# KiCad board DFTBoard.kicad_pcb (continued)
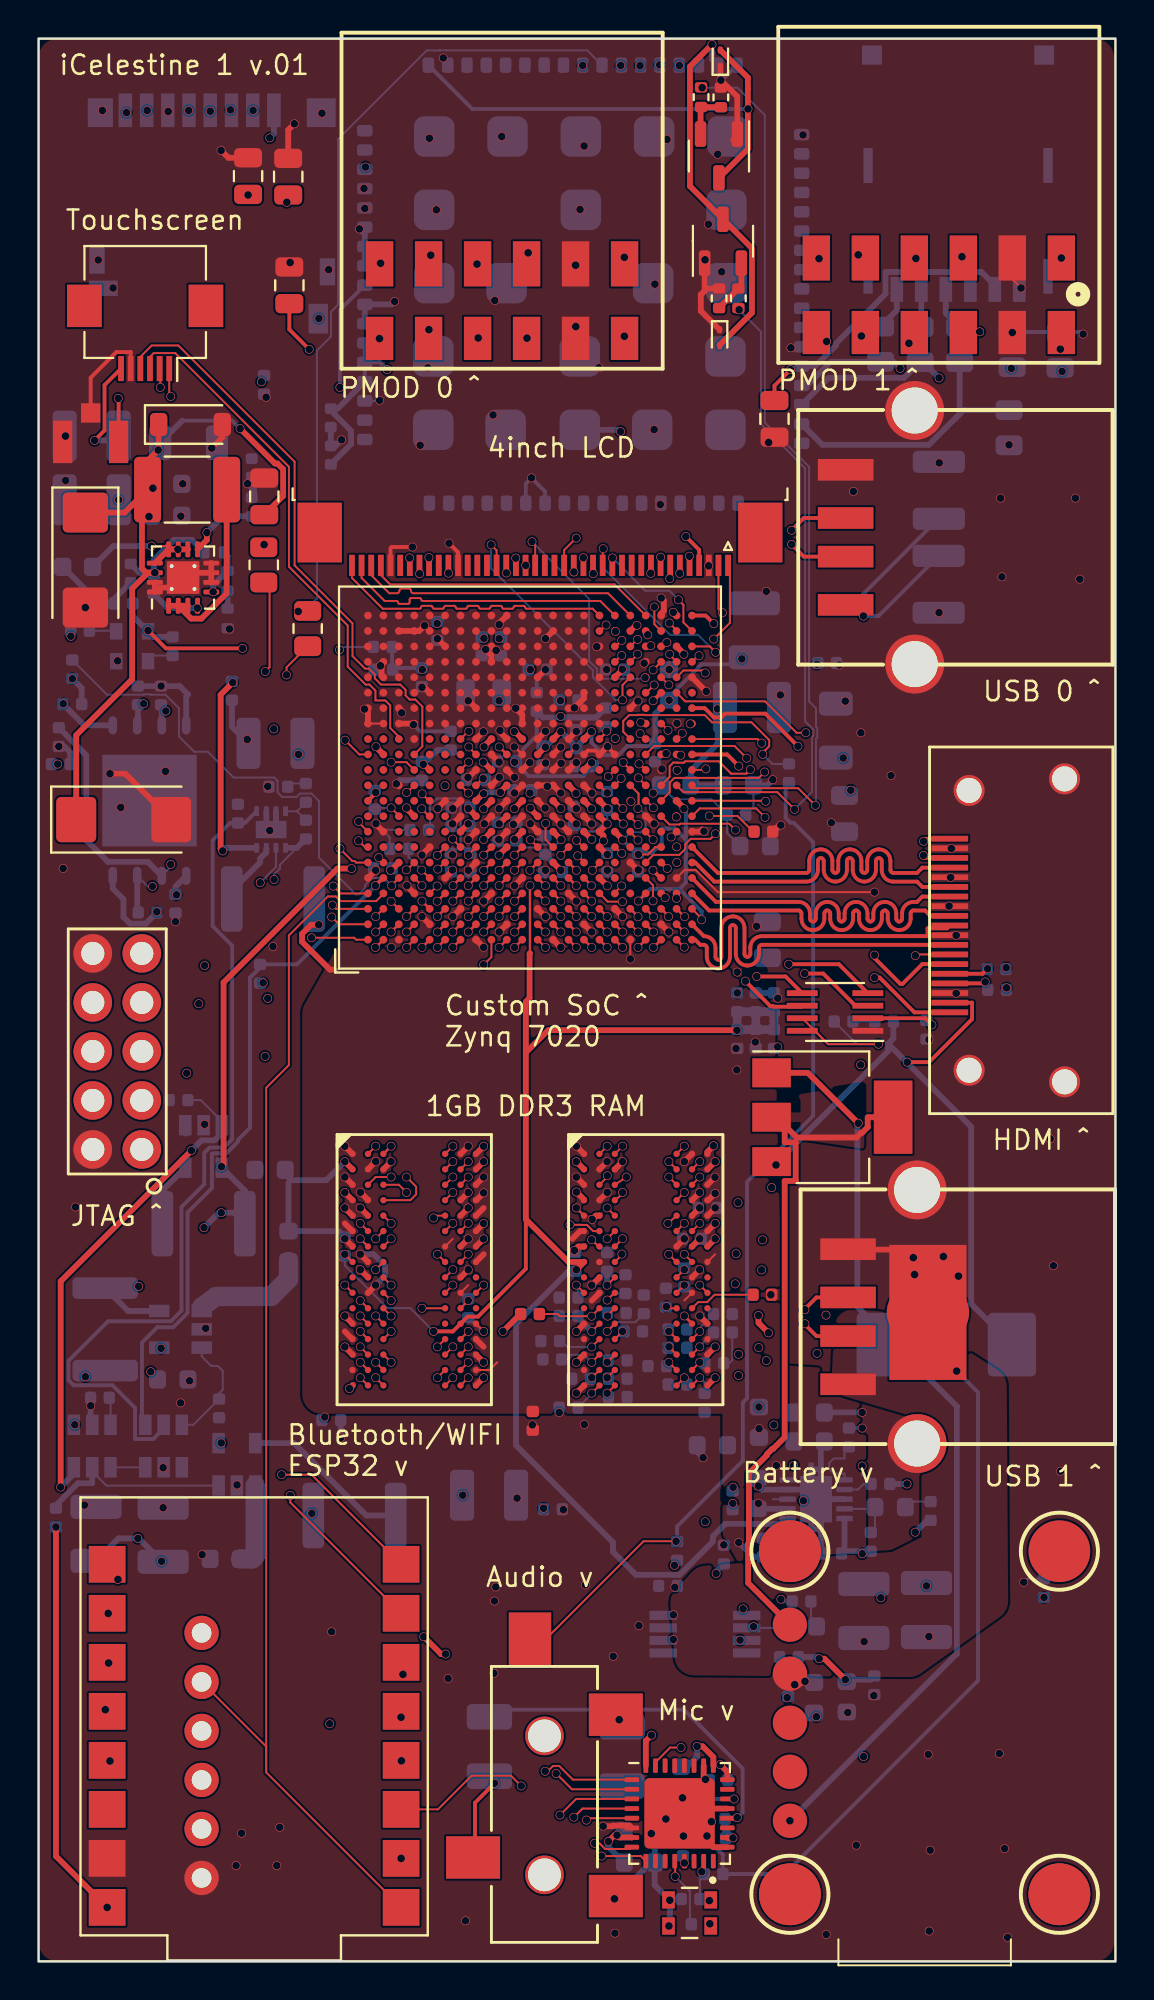
[diagram p0: board, top side]
## Routing (per net, layer and track width the routed paths; a pad name or vN(x,y) marks a point on that pad's centre or on a via; arc(x,y) is an arc through that point) (continued)
1PMOD2: length 37.3
  TOP_GND w0.102: U20.V12 30.31,62.12 v1(30.31,62.14)
  SIGNAL1 w0.102: v1(40.46,88.25) 40.46,87.58 40.46,87.53 40.43,87.44 40.37,87.36 40.3,87.31 40.21,87.28 40.16,87.28 39.76,87.28 39.71,87.27 39.62,87.24 39.55,87.19 39.49,87.11 39.46,87.02 39.46,86.98 39.46,86.93 39.49,86.84 39.55,86.76 39.62,86.71 39.71,86.68 39.76,86.68 40.76,86.68 40.81,86.67 40.9,86.64 40.97,86.59 41.03,86.51 41.06,86.42 41.06,86.38 41.06,86.33 41.03,86.24 40.97,86.16 40.9,86.11 40.81,86.08 40.76,86.08 39.76,86.08 39.71,86.07 39.62,86.04 39.55,85.99 39.49,85.91 39.46,85.82 39.46,85.78 39.46,85.73 39.49,85.64 39.55,85.56 39.62,85.51 39.71,85.48 39.76,85.48 40.76,85.48 40.81,85.47 40.9,85.44 40.97,85.39 41.03,85.31 41.06,85.22 41.06,85.18 41.06,85.13 41.03,85.04 40.97,84.96 40.9,84.91 40.81,84.88 40.71,84.87 40.62,84.84 40.55,84.79 40.49,84.71 40.46,84.62 40.46,84.58 40.46,82.83 39.43,81.79 39.43,81.4 39.43,81.35 39.4,81.26 39.34,81.18 39.27,81.13 39.18,81.1 39.13,81.1 38.73,81.1 38.68,81.09 38.59,81.06 38.52,81.01 38.46,80.93 38.43,80.84 38.43,80.8 38.43,80.75 38.46,80.66 38.52,80.58 38.6,80.58 39.43,79.75 39.43,71.08 34.56,66.21 34.45,66.21 32.24,63.99 32.24,63.91 30.47,62.14 v1(30.31,62.14)
1PMOD3: length 35.7
  TOP_GND w0.102: v1(30.2,61.31) 30.2,61.27 U20.U11
  GND1 w0.102: v1(30.2,61.31) 30.57,60.94 31.26,60.94 31.55,61.24 31.55,62.25 32.29,62.99 33.45,62.99 33.45,62.99 33.74,62.99 35.27,64.52 35.36,64.52 35.59,64.75 35.59,64.84 41.77,71.01 41.77,79.25 41.69,79.3 41.6,79.33 41.55,79.33 41.15,79.33 41.11,79.33 41.02,79.36 40.94,79.42 40.88,79.5 40.85,79.59 40.85,79.63 40.85,80.51 40.85,80.55 40.82,80.64 40.77,80.72 40.69,80.77 40.6,80.8 40.55,80.81 40.15,80.81 40.11,80.81 40.02,80.84 39.94,80.89 39.88,80.97 39.85,81.06 39.85,81.11 39.85,81.15 39.88,81.24 39.94,81.32 40.02,81.37 40.11,81.4 40.15,81.41 41.55,81.41 41.6,81.41 41.69,81.44 41.77,81.49 41.82,81.57 41.85,81.66 41.85,81.71 41.85,81.75 41.82,81.84 41.77,81.92 41.69,81.97 41.6,82 41.55,82.01 40.15,82.01 40.11,82.01 40.02,82.04 39.94,82.09 39.88,82.17 39.85,82.26 39.85,82.31 39.85,82.35 39.88,82.44 39.94,82.52 40.02,82.57 40.11,82.6 40.15,82.61 40.55,82.61 40.6,82.61 40.69,82.64 40.77,82.69 40.82,82.77 40.85,82.86 40.85,82.91 v1(40.85,83.95)
1PMOD4: length 37.3
  TOP_GND w0.102: U20.U12 29.53,61.41 v1(29.53,61.4)
  SIGNAL1 w0.102: v1(29.53,61.4) 30.02,60.92 30.46,60.92 30.48,60.94 34.3,60.94 34.98,61.63 34.98,61.64 34.99,61.64 34.99,61.96 34.98,61.97 34.98,62.72 42.76,70.5 42.76,79.56 42.69,79.61 42.6,79.64 42.55,79.65 42.15,79.65 42.1,79.65 42.01,79.68 41.94,79.73 41.88,79.81 41.85,79.9 41.85,79.95 41.85,80.59 42.77,81.51 42.8,81.54 42.84,81.62 42.86,81.72 42.84,81.81 42.8,81.9 42.73,81.96 42.69,82.05 42.67,82.14 42.69,82.24 42.73,82.32 42.77,82.35 42.8,82.39 42.88,82.43 42.98,82.44 43.07,82.43 43.16,82.39 43.19,82.35 43.9,81.65 43.93,81.61 44.02,81.57 44.11,81.56 44.2,81.57 44.29,81.61 44.32,81.65 44.35,81.68 44.4,81.77 44.41,81.86 44.4,81.95 44.35,82.04 44.32,82.07 43.61,82.78 43.58,82.81 43.54,82.9 43.52,82.99 43.54,83.08 43.58,83.17 43.61,83.2 43.65,83.24 43.73,83.28 43.83,83.29 43.92,83.28 44,83.24 44.07,83.17 44.16,83.13 44.25,83.11 44.34,83.13 44.43,83.17 44.46,83.2 v1(45.12,83.86)
1PMOD5: length 36.6
  TOP_GND w0.102: PMOD2.8 48.75,84.42 v1(48.79,84.46) ; 29.91,59.35 v1(30.31,58.95)
  GND1 w0.102: v1(48.79,84.46) 48.79,75.01 39.42,65.64 39.42,65.63 33.95,60.16 33.32,60.16 32.67,59.5 32.67,59.15 32.67,59.15 32.08,58.56 31.82,58.56 31.79,58.52 30.74,58.52 v1(30.31,58.95)
1PMOD6: length 36.7
  TOP_GND w0.102: 29.89,60.15 v1(30.29,59.75)
  GND1 w0.102: v1(30.29,59.75) 30.68,59.36 31.25,59.36 31.44,59.54 31.44,60.69 31.7,60.94 34.43,60.94 39.96,66.46 39.96,67.47 43.57,71.08 43.57,79.87 43.49,79.93 43.4,79.95 43.35,79.96 42.95,79.96 42.91,79.96 42.82,79.99 42.74,80.04 42.68,80.12 42.66,80.21 42.65,80.26 42.65,81.01 42.66,81.05 42.68,81.14 42.74,81.22 42.82,81.27 42.91,81.3 42.95,81.31 43.35,81.31 43.4,81.31 43.49,81.34 43.57,81.39 43.62,81.47 43.65,81.56 43.65,81.61 43.65,81.65 43.62,81.74 43.57,81.82 43.49,81.87 43.4,81.9 43.35,81.91 42.2,81.91 42.16,81.91 42.07,81.94 41.99,81.99 41.93,82.07 41.91,82.16 41.9,82.21 41.91,82.25 41.93,82.34 41.99,82.42 42.07,82.47 42.16,82.5 42.2,82.51 42.35,82.51 42.4,82.51 42.49,82.54 42.57,82.59 42.62,82.67 42.65,82.76 42.65,82.81 v1(42.65,84.24)
1PMOD7: length 32.8
  TOP_GND w0.102: U20.AB12 34.54,61.75 v1(34.59,61.8)
  SIGNAL1 w0.102: v1(34.59,61.8) 34.59,62.62 41.2,69.22 41.2,81.12 47.87,87.79 v1(47.87,88.35)
1PMOD8: length 35.2
  SIGNAL1 w0.102: v1(33.11,61.73) 33.68,62.3 33.68,62.43 40.6,69.35 40.6,81.36 43.84,84.6 43.86,84.62 43.93,84.65 43.99,84.65 44.06,84.62 44.08,84.6 44.11,84.57 44.17,84.55 44.24,84.55 44.31,84.57 44.33,84.6 44.51,84.78 44.53,84.8 44.56,84.86 44.56,84.93 44.53,85 44.51,85.02 43.89,85.64 43.86,85.68 43.81,85.76 43.8,85.85 43.81,85.95 43.86,86.03 43.89,86.07 43.92,86.1 44.01,86.14 44.1,86.16 44.19,86.14 44.28,86.1 44.31,86.07 44.6,85.78 44.63,85.75 44.71,85.71 44.81,85.69 44.9,85.71 44.99,85.75 45.02,85.78 45.48,86.24 45.48,86.64 45.48,86.68 45.45,86.77 45.39,86.85 45.32,86.9 45.23,86.93 45.18,86.94 44.78,86.94 44.73,86.94 44.64,86.97 44.57,87.02 44.51,87.1 44.48,87.19 44.48,87.24 44.48,87.28 44.51,87.37 44.57,87.45 44.64,87.5 44.73,87.53 44.78,87.54 45.18,87.54 45.23,87.54 45.32,87.57 45.39,87.62 45.45,87.7 45.48,87.79 45.48,87.84 v1(45.48,88.26)
/Audio/HPRCOM_C_N: length 5
  TOP_GND w0.2: 22.62,4.69 22.62,8.22 v1(23.64,9.23)
/Audio/HPRCOM_C_P:
  vias: v1(30.1,12.53)
/Audio/HPSWITCH: length 52.9
  TOP_GND w0.102: v1(33.05,21.78) 31.36,21.78 25.58,15.99
  BOTTOM w0.2: R31.2 38.73,60.92 38.73,59.27 38.99,59.01 39.15,59.01 40.15,58 40.15,43.82 36.73,40.4 36.73,29.19 36.51,28.97 36.51,25.95 33.1,22.54 R28.1
/Audio/MICBIAS: length 2.2
  TOP_GND w0.102: v1(34.38,4.64) 34.5,4.76 34.5,5.18
  BOTTOM w0.102: 34.28,4.31 34.28,3.23 34.7,3.23 v1(34.78,3.15)
/Audio/SIG_F: length 3.5
  TOP_GND w0.102: v1(33,4.4) 33,5.18
  BOTTOM w0.102: 33.76,2 33.76,3.64 v1(33,4.4)
/Audio/SIGC_F:
  vias: v1(34.8,1.95)
/Comm/sim_clk: length 14.7
  SIGNAL2 w0.3: v1(53.06,82.41) 52.72,82.07 v1(46.68,82.07)
  BOTTOM w0.3: 45.87,82.88 v1(46.68,82.07) ; 45.67,82.88 44.86,82.07 40.95,82.07 U13.32
/Comm/sim_clk#: length 1.9
  BOTTOM w0.3: J1.C3 45.76,84.76
/Comm/sim_data: length 11.5
  SIGNAL2 w0.3: v1(50.43,82.56) 50.43,82.56 v1(44.66,82.56)
  BOTTOM w0.3: v1(44.66,82.56) 44.32,82.9 R30.1 41.06,82.9 39.84,81.68 U13.31
/Comm/sim_data#: length 2.3
  BOTTOM w0.3: R30.2 44.49,85.57 J1.C7
/Comm/sim_rst: length 14.9
  BOTTOM w0.3: 47.54,79.98 47.75,80.19 R42.1 ; 47.54,79.98 46.16,78.6 40.64,78.6 U13.33 ; 47.54,79.98 47.95,80.4 C135.1
/Comm/sim_rst#: length 2.3
  BOTTOM w0.3: J1.C2 47.03,85.42 47.75,84.7
/Comm/Status: length 0.1
  BOTTOM w0.102: U13.66 16.91,92.96 v1(16.95,93)
/Comm/VSIM: length 15.4
  TOP_GND w0.2: C16.1 38.15,81.67 v1(38.98,82.5)
  BOTTOM w0.2: v1(38.98,82.5) 39.38,82.5
  BOTTOM w0.3: 49.57,86.87 48.88,87.55 43.91,87.55 43.91,86.42 41.34,83.86 41.34,83.75 40.27,82.68 U13.30
/DDR3/PGOOD_LED: length 1
  BOTTOM w0.102: R102.1 45.22,23.83
/DDR3/VREF: length 106.5
  TOP_GND w0.102: U16.H1 v1(15.88,36.65) ; U20.P7 27.08,57.35 v1(27.08,57.32) ; v1(22.28,57.33) 22.28,57.36 U20.H7
  TOP_GND w0.12: 25.48,52.25 v1(25.48,55.75)
  TOP_GND w0.15: U15.M8 v1(33.47,33.45)
  TOP_GND w0.2: v1(20.48,32.65) 21.48,32.65 U16.M8 22.24,33.42 22.79,33.42 25.26,35.89 25.26,38.46
  TOP_GND w0.3: v1(36.21,48.26) 26.42,48.26 25.26,47.1 ; 25.26,47.1 25.26,38.46 27.47,36.25 U15.H1 ; 25.26,47.1 25.26,49.74 25.46,49.93 25.46,52.23 25.48,52.25 ; 28.28,36.24 v1(27.88,35.84)
  GND1 w0.102: v1(22.28,57.33) 22.67,56.95 22.67,56.39 22.9,56.16 25.07,56.16 v1(25.48,55.75) 25.87,56.14 26.45,56.14 26.68,56.38 26.68,56.93 v1(27.08,57.32)
  SIGNAL2 w0.15: v1(33.47,33.45) 33.24,33.69 33.24,33.87 30.86,36.24 28.9,36.24 28.88,36.26 28.29,36.26 v1(27.88,35.84)
  BOTTOM w0.102: v1(15.88,36.65) 15.88,36.07 18.09,33.86 19.27,33.86 v1(20.48,32.65) ; C105.1 21.88,57.93 21.88,60.05 21.66,60.27 20.66,60.27 20.3,59.91 20.3,58.72
  BOTTOM w0.12: 38.38,48.49 38.12,48.75
  BOTTOM w0.3: U8.1 38.55,22.67 35.6,22.67 34.96,22.03 34.96,21.76 33.23,20.03 30.97,20.03 29.78,21.22 29.78,21.72 24.75,26.75 24.75,33.04 27.47,35.77 C93.1
  BOTTOM w0.45: R48.1 R47.2 ; C95.1 C97.1 C96.2 C94.2 C95.1
/DDR3/ZQH: length 3.5
  TOP_GND w0.102: U15.L8 34.19,34.17 34.66,34.17 35.05,34.55 R46.1
/DDR3/ZQL: length 0.6
  TOP_GND w0.102: U16.L8 v1(22.28,34.25)
/USB/USBH_FLAG_LED: length 1
  BOTTOM w0.102: R35.1 40.04,17.65
AX_TCLK: length 47.4
  TOP_GND w0.102: U20.G11 22.28,60.55 v1(22.28,60.55)
  GND1 w0.102: CON1.1 3.96,43.47 3.96,45.1 3.05,46.01 2.29,46.01 1.66,46.64 1.66,54.72 13.36,66.43 21.74,66.43 23.49,64.67 23.49,62.78 23.47,62.77 23.47,62.02 23.21,61.76 22.95,61.76 22.65,61.46 22.65,61.14 22.68,61.11 22.68,60.96 v1(22.28,60.55)
AX_TDI: length 26.1
  TOP_GND w0.102: U20.H13 22.31,62.92 v1(22.31,62.94)
  GND1 w0.102: v1(22.31,62.94) 21.82,62.94 19.79,64.97 19.17,64.97 18.82,65.33 14.76,65.33 5.35,55.92 CON1.9
AX_TDO: length 36.1
  TOP_GND w0.102: v1(22.31,63.75) 22.28,63.75 U20.G14
  GND1 w0.102: v1(22.31,63.75) 20.42,65.64 19.49,65.64 19.07,66.06 13.82,66.06 11.35,63.58 11.35,63.3 3.96,55.92 3.96,46.01 CON1.3
AX_TMS: length 34.2
  TOP_GND w0.102: U20.G12 22.28,62.16 v1(22.29,62.16)
  GND1 w0.102: CON1.5 4.17,48.34 4.17,55.29 14.56,65.69 18.97,65.69 19.27,65.39 20.1,65.39 22.14,63.35 22.47,63.35 22.7,63.12 22.7,62.79 22.69,62.78 22.69,62.55 v1(22.29,62.16)
BOOTSPI_CS: length 27.6
  TOP_GND w0.102: v1(14.15,53.05) 16.36,53.05 16.46,52.95 U20.A1
  GND0 w0.102: v1(1.28,65.18) 0.6,64.5 0.6,60.45 6.78,54.28 12.93,54.28 v1(14.15,53.05)
  BOTTOM w0.3: R106.1 2.37,64.06 U19.1
BOOTSPI_DQ0_BMODE3: length 12.9
  TOP_GND w0.102: U20.A2 15.57,53.75 v1(15.2,54.13)
  GND0 w0.102: v1(7.15,55.28) 14.89,55.28 15.03,55.13 15.46,55.13 15.63,54.97 15.63,54.55 v1(15.2,54.13)
  BOTTOM w0.3: R92.1 7.1,55.7 U19.5
BOOTSPI_DQ1_BMODE1: length 21.4
  TOP_GND w0.102: 21.04,56.95 v1(20.7,56.61)
  GND0 w0.102: v1(20.7,56.61) 21.1,57.02 21.1,57.15 21.07,57.19 21.07,57.5 20.84,57.73 18.49,57.73 17.69,58.53 14.81,58.53 10.97,62.36 8.26,62.36 v1(5.45,65.18)
  BOTTOM w0.3: R94.1 5.15,64.09
BOOTSPI_DQ2_BMODE2: length 23
  TOP_GND w0.102: v1(20.66,55.73) 20.66,55.73 U20.E4
  GND0 w0.102: v1(6.6,64.8) 12.21,64.8 17.88,59.13 17.88,58.64 17.98,58.54 20.93,58.54 21.05,58.43 21.05,58.03 21.3,57.77 21.6,57.77 21.85,57.52 21.85,56.37 21.65,56.17 21.1,56.17 v1(20.66,55.73)
  BOTTOM w0.3: U19.3 6.39,65.09
BOOTSPI_DQ3_BMODE0: length 14.6
  TOP_GND w0.102: v1(15.23,54.74) 15.42,54.55 U20.A3
  GND0 w0.102: v1(5.9,55.71) 7.01,54.6 15.09,54.6 v1(15.23,54.74)
  BOTTOM w0.102: v1(5.9,55.71) 5.66,55.71 5.12,56.26
  BOTTOM w0.3: 5.12,56.26 5.12,54.41
BOOTSPI_SCK_BMODE4: length 23.1
  TOP_GND w0.102: U20.A4 15.66,55.35 v1(15.28,55.73)
  GND0 w0.102: v1(15.28,55.73) 13.77,55.73 12.15,57.35 9.93,57.35 9.43,56.85 v1(6.85,56.85)
  BOTTOM w0.102: U19.6 6.85,56.72 v1(6.85,56.85)
  BOTTOM w0.3: R91.1 2.48,62.51 2.48,58.11 3.59,56.99 5.66,56.99 U19.6
CLK33.33: length 1.4
  BOTTOM w0.102: R100.2 4,68.96
CS: length 15.1
  TOP_GND w0.102: 17.25,72.35 17.25,71.84 18.18,70.91 18.58,70.91 arc(18.67,70.94) 18.71,71.03 arc(18.74,71.12) 18.83,71.16 19.18,71.16 arc(19.27,71.12) 19.31,71.03 arc(19.34,70.94) 19.43,70.91 29.52,70.91 U20.V22
DDR3_A0: length 51.6
  TOP_GND w0.102: U16.N3 v1(18.28,32.65) ; U15.N3 v1(30.28,32.65)
  TOP_GND w0.13: v1(26.27,54.96) 26.27,54.96 U20.M4
  SIGNAL2 w0.102: v1(26.27,54.96) 26.68,54.55 26.68,51.53 26.18,51.03 25.75,51.03 24.3,49.58 24.26,49.54 24.21,49.52 24.16,49.51 24.1,49.51 24.05,49.52 24,49.54 23.92,49.61 23.87,49.63 23.82,49.64 23.76,49.64 23.71,49.63 23.66,49.61 23.62,49.58 23.53,49.49 23.5,49.45 23.48,49.4 23.47,49.35 23.47,49.29 23.48,49.24 23.5,49.19 23.53,49.15 23.71,48.98 23.7,48.97 23.87,48.8 23.9,48.76 23.93,48.71 23.94,48.66 23.94,48.61 23.93,48.55 23.9,48.5 23.87,48.46 23.79,48.38 23.74,48.35 23.7,48.32 23.64,48.31 23.59,48.31 23.54,48.32 23.49,48.35 23.45,48.38 23.1,48.72 23.06,48.75 23.01,48.78 22.96,48.79 22.91,48.79 22.85,48.78 22.81,48.75 22.76,48.72 22.68,48.64 22.65,48.6 22.62,48.55 22.61,48.49 22.61,48.44 22.62,48.39 22.65,48.34 22.68,48.3 23.02,47.95 23.05,47.91 23.08,47.86 23.09,47.81 23.09,47.76 23.08,47.7 23.05,47.66 23.02,47.61 22.94,47.53 22.9,47.5 22.85,47.47 22.79,47.46 22.74,47.46 22.69,47.47 22.64,47.5 22.6,47.53 22.26,47.87 22.21,47.91 22.16,47.93 22.11,47.94 22.06,47.94 22.01,47.93 21.96,47.91 21.91,47.87 21.83,47.79 21.8,47.75 21.77,47.7 21.76,47.65 21.76,47.59 21.77,47.54 21.8,47.49 21.83,47.45 22.17,47.11 22.21,47.06 22.23,47.02 22.24,46.96 22.24,46.91 22.23,46.86 22.21,46.81 22.17,46.76 22.09,46.68 22.05,46.65 22,46.62 21.95,46.61 21.89,46.61 21.84,46.62 21.79,46.65 21.75,46.68 21.41,47.02 21.36,47.06 21.32,47.08 21.26,47.09 21.21,47.09 21.16,47.08 21.11,47.06 21.07,47.02 20.98,46.94 20.95,46.9 20.93,46.85 20.91,46.8 20.91,46.74 20.93,46.69 20.95,46.64 20.98,46.6 21.32,46.26 21.36,46.22 21.38,46.17 21.39,46.11 21.39,46.06 21.38,46.01 21.36,45.96 21.32,45.92 21.24,45.83 21.2,45.8 21.15,45.78 21.1,45.76 21.04,45.76 20.99,45.78 20.94,45.8 20.9,45.83 20.56,46.17 20.52,46.21 20.47,46.23 20.41,46.24 20.36,46.24 20.31,46.23 20.26,46.21 20.22,46.17 20.13,46.09 20.1,46.05 20.08,46 20.07,45.95 20.07,45.89 20.08,45.84 20.1,45.79 20.17,45.71 20.19,45.66 20.2,45.61 20.2,45.55 20.19,45.5 20.17,45.45 20.13,45.41 17.88,43.15 17.88,38.7 17.08,37.9 17.08,36.4 16.93,36.25 15.83,36.25 15.38,35.8 15.38,34.85 15.58,34.65 17.33,34.65 17.88,34.1 17.88,33.05 v1(18.28,32.65) 18.68,33.05 24.03,33.05 24.43,33.45 24.53,33.45 24.56,33.45 24.6,33.43 24.63,33.41 24.66,33.39 24.68,33.35 24.69,33.32 24.7,33.24 24.71,33.21 24.73,33.17 24.76,33.15 24.79,33.13 24.83,33.11 24.87,33.11 24.93,33.11 24.96,33.11 25,33.13 25.03,33.15 25.06,33.17 25.08,33.21 25.09,33.24 25.1,33.32 25.11,33.35 25.13,33.39 25.16,33.41 25.19,33.43 25.23,33.45 25.27,33.45 28.06,33.45 28.46,33.04 29.88,33.04 v1(30.28,32.65)
DDR3_A1: length 52.1
  TOP_GND w0.102: U16.P7 v1(21.48,31.85) ; 33.08,31.45 32.68,31.84
  TOP_GND w0.13: U20.M5 v1(26.28,55.75)
  SIGNAL1 w0.102: 22.68,32.05 22.48,32.25 22.01,32.25 21.53,32.73 21.53,33.89 19.79,35.64 19.79,38.46 20.78,39.45 22.88,39.45 22.89,39.44 23.26,39.44 24.08,40.25 24.08,41.6 24.08,41.64 24.09,41.69 24.12,41.72 24.15,41.76 24.19,41.78 24.23,41.79 24.28,41.8 24.36,41.8 24.4,41.81 24.45,41.82 24.48,41.84 24.52,41.88 24.54,41.91 24.55,41.96 24.56,42 24.55,42.04 24.54,42.09 24.52,42.12 24.48,42.16 24.45,42.18 24.4,42.19 24.36,42.2 23.91,42.2 23.87,42.2 23.84,42.22 23.8,42.24 23.78,42.26 23.76,42.29 23.75,42.33 23.74,42.37 23.74,42.43 23.75,42.47 23.76,42.51 23.78,42.54 23.8,42.56 23.84,42.58 23.87,42.6 23.91,42.6 24.36,42.6 24.4,42.61 24.45,42.62 24.48,42.64 24.52,42.68 24.54,42.71 24.55,42.76 24.56,42.8 24.55,42.84 24.54,42.89 24.52,42.92 24.48,42.96 24.45,42.98 24.4,42.99 24.36,43 23.79,43 23.75,43.01 23.7,43.02 23.67,43.04 23.63,43.08 23.61,43.11 23.6,43.16 23.59,43.2 23.6,43.24 23.61,43.29 23.63,43.32 23.67,43.36 23.7,43.38 23.75,43.39 23.79,43.4 24.36,43.4 24.4,43.41 24.45,43.42 24.48,43.44 24.52,43.48 24.54,43.51 24.55,43.56 24.56,43.6 24.55,43.64 24.54,43.69 24.52,43.72 24.48,43.76 24.45,43.78 24.4,43.79 24.36,43.8 23.79,43.8 23.75,43.81 23.7,43.82 23.67,43.84 23.63,43.88 23.61,43.91 23.6,43.96 23.59,44 23.6,44.04 23.61,44.09 23.63,44.12 23.67,44.16 23.7,44.18 23.75,44.19 23.79,44.2 24.36,44.2 24.4,44.21 24.45,44.22 24.48,44.24 24.52,44.28 24.54,44.31 24.55,44.36 24.56,44.4 24.55,44.44 24.54,44.49 24.52,44.52 24.48,44.56 24.45,44.58 24.4,44.59 24.36,44.6 23.79,44.6 23.75,44.61 23.7,44.62 23.67,44.64 23.63,44.68 23.61,44.71 23.6,44.76 23.59,44.8 23.6,44.84 23.61,44.89 23.63,44.92 23.67,44.96 23.7,44.98 23.75,44.99 23.79,45 24.36,45 24.4,45.01 24.45,45.02 24.48,45.04 24.52,45.08 24.54,45.11 24.55,45.16 24.56,45.2 24.55,45.24 24.54,45.29 24.52,45.32 24.48,45.36 24.45,45.38 24.4,45.39 24.36,45.4 23.84,45.4 23.8,45.41 23.75,45.42 23.72,45.44 23.68,45.48 23.66,45.51 23.65,45.56 23.64,45.6 23.65,45.64 23.66,45.69 23.68,45.72 23.72,45.76 23.75,45.78 23.8,45.79 23.84,45.8 23.88,45.8 23.92,45.81 23.96,45.82 24,45.84 24.03,45.88 24.06,45.91 24.07,45.96 24.08,46 24.08,49.1 25.48,50.5 25.48,55.09 26.01,55.62 26.15,55.62 v1(26.28,55.75) ; 22.68,32.05 22.68,31.65 22.48,31.45 21.88,31.45 v1(21.48,31.85) ; 22.68,32.05 22.88,32.25 25.93,32.25 25.97,32.24 26.01,32.23 26.05,32.21 26.08,32.17 26.11,32.14 26.12,32.09 26.12,32.05 26.12,31.95 26.13,31.91 26.14,31.86 26.17,31.83 26.2,31.79 26.24,31.77 26.28,31.76 26.33,31.75 26.37,31.76 26.41,31.77 26.45,31.79 26.48,31.83 26.51,31.86 26.52,31.91 26.53,31.95 26.53,32.55 26.53,32.59 26.54,32.64 26.57,32.67 26.6,32.71 26.64,32.73 26.68,32.74 26.73,32.75 26.77,32.74 26.81,32.73 26.85,32.71 26.88,32.67 26.91,32.64 26.92,32.59 26.93,32.55 26.93,32.45 26.93,32.41 26.94,32.36 26.97,32.33 27,32.29 27.04,32.27 27.08,32.26 27.12,32.25 32.28,32.25 v1(32.68,31.85)
DDR3_A2: length 51.3
  TOP_GND w0.102: U16.P3 v1(18.28,31.05) ; U15.P3 v1(29.47,31.05)
  TOP_GND w0.13: U20.K4 v1(23.88,54.95)
  SIGNAL1 w0.102: v1(29.47,31.05) 29.08,30.65 28.38,30.65 27.9,30.18 25.7,30.18 24.98,29.45 19.88,29.45 v1(18.28,31.05)
  SIGNAL2 w0.102: v1(18.28,31.05) 18.28,31.78 17.8,32.25 16.48,32.25 16.28,32.05 16.28,31.65 16.03,31.4 15.33,31.4 12.98,33.75 12.98,36.8 12.95,36.83 12.95,38.34 12.95,38.36 12.94,38.39 12.92,38.41 12.9,38.43 12.88,38.44 12.86,38.45 12.83,38.46 12.82,38.46 12.8,38.46 12.77,38.47 12.75,38.48 12.73,38.5 12.71,38.52 12.71,38.55 12.7,38.58 12.7,38.74 12.71,38.76 12.71,38.79 12.73,38.81 12.75,38.83 12.77,38.84 12.8,38.85 12.82,38.86 13.08,38.86 13.1,38.86 13.13,38.87 13.15,38.88 13.17,38.9 13.19,38.92 13.19,38.95 13.2,38.98 13.2,39.14 13.19,39.16 13.19,39.19 13.17,39.21 13.15,39.23 13.13,39.24 13.1,39.25 13.08,39.26 12.82,39.26 12.8,39.26 12.77,39.27 12.75,39.28 12.73,39.3 12.71,39.32 12.71,39.35 12.7,39.38 12.7,39.54 12.71,39.56 12.71,39.59 12.73,39.61 12.75,39.63 12.77,39.64 12.8,39.65 12.82,39.66 13.08,39.66 13.1,39.66 13.13,39.67 13.15,39.68 13.17,39.7 13.19,39.72 13.19,39.75 13.2,39.78 13.2,39.94 13.19,39.96 13.19,39.99 13.17,40.01 13.15,40.03 13.13,40.04 13.1,40.05 13.08,40.06 12.82,40.06 12.8,40.06 12.77,40.07 12.75,40.08 12.73,40.1 12.71,40.12 12.71,40.15 12.7,40.18 12.7,40.34 12.71,40.36 12.71,40.39 12.73,40.41 12.75,40.43 12.77,40.44 12.8,40.45 12.82,40.46 13.08,40.46 13.1,40.46 13.13,40.47 13.15,40.48 13.17,40.5 13.19,40.52 13.19,40.55 13.2,40.58 13.2,40.74 13.19,40.76 13.19,40.79 13.17,40.81 13.15,40.83 13.13,40.84 13.1,40.85 13.08,40.86 12.82,40.86 12.8,40.86 12.77,40.87 12.75,40.88 12.73,40.9 12.71,40.92 12.71,40.95 12.7,40.98 12.7,41.14 12.71,41.16 12.71,41.19 12.73,41.21 12.75,41.23 12.77,41.24 12.8,41.25 12.82,41.26 12.83,41.26 12.86,41.26 12.88,41.27 12.9,41.28 12.92,41.3 12.94,41.32 12.95,41.35 12.95,41.38 12.95,43.28 20.9,51.23 21.45,51.23 22.28,52.05 23.23,52.05 23.48,52.3 23.48,54.33 23.69,54.54 23.81,54.54 23.88,54.61 v1(23.88,54.95)
DDR3_A3: length 53.5
  TOP_GND w0.102: U16.N2 v1(16.68,32.65) ; 29.08,32.25 28.67,31.85 v1(28.67,31.84)
  TOP_GND w0.13: U20.L4 v1(24.68,54.95)
  GND1 w0.102: v1(28.67,31.84) 28.28,31.45 27.14,31.45 27.11,31.45 27.07,31.47 27.04,31.49 27.01,31.51 26.99,31.55 26.98,31.58 26.97,31.66 26.96,31.69 26.94,31.73 26.91,31.75 26.88,31.77 26.84,31.79 26.81,31.79 26.74,31.79 26.71,31.79 26.67,31.77 26.64,31.75 26.61,31.73 26.59,31.69 26.58,31.66 26.58,31.62 26.58,31.45 26.54,31.45 26.54,31.28 26.54,31.24 26.53,31.21 26.51,31.17 26.48,31.15 26.45,31.13 26.41,31.11 26.38,31.11 26.31,31.11 26.28,31.11 26.24,31.13 26.21,31.15 26.18,31.17 26.16,31.21 26.15,31.24 26.14,31.32 26.13,31.35 26.11,31.39 26.08,31.41 26.05,31.43 26.01,31.45 25.98,31.45 18.68,31.45 17.48,32.65 v1(16.68,32.65)
  SIGNAL2 w0.102: v1(24.68,54.95) 24.28,54.55 24.28,52.01 23.31,51.05 21.67,51.05 19.15,48.53 19.11,48.49 19.07,48.47 19.02,48.46 18.97,48.46 18.92,48.47 18.87,48.49 18.8,48.56 18.75,48.58 18.7,48.59 18.65,48.59 18.6,48.58 18.56,48.56 18.52,48.53 18.41,48.42 18.38,48.38 18.36,48.33 18.35,48.28 18.35,48.23 18.36,48.18 18.38,48.14 18.41,48.1 18.57,47.94 18.57,47.94 18.71,47.8 18.73,47.77 18.75,47.73 18.76,47.68 18.76,47.64 18.75,47.6 18.73,47.56 18.71,47.52 18.56,47.38 18.53,47.35 18.49,47.33 18.44,47.32 18.4,47.32 18.36,47.33 18.32,47.35 18.28,47.38 17.99,47.67 17.95,47.71 17.9,47.73 17.85,47.74 17.8,47.74 17.75,47.73 17.71,47.71 17.67,47.67 17.56,47.56 17.53,47.53 17.51,47.48 17.5,47.43 17.5,47.38 17.51,47.33 17.53,47.29 17.56,47.25 17.86,46.95 17.89,46.92 17.9,46.88 17.91,46.84 17.91,46.79 17.9,46.75 17.89,46.71 17.86,46.67 17.71,46.53 17.68,46.5 17.64,46.48 17.6,46.47 17.55,46.47 17.51,46.48 17.47,46.5 17.43,46.53 17.14,46.83 17.1,46.86 17.05,46.88 17,46.89 16.95,46.89 16.91,46.88 16.86,46.86 16.82,46.83 16.71,46.72 16.68,46.68 16.66,46.63 16.65,46.58 16.65,46.53 16.66,46.49 16.68,46.44 16.71,46.4 17.01,46.11 17.04,46.07 17.06,46.03 17.07,45.99 17.07,45.94 17.06,45.9 17.04,45.86 17.01,45.83 16.86,45.68 16.83,45.65 16.79,45.63 16.75,45.62 16.7,45.62 16.66,45.63 16.62,45.65 16.58,45.68 16.29,45.98 16.25,46.01 16.2,46.03 16.16,46.04 16.11,46.04 16.06,46.03 16.01,46.01 15.97,45.98 15.86,45.87 15.83,45.83 15.81,45.78 15.8,45.74 15.8,45.69 15.81,45.64 15.83,45.59 15.86,45.55 16.16,45.26 16.19,45.22 16.21,45.18 16.22,45.14 16.22,45.09 16.21,45.05 16.19,45.01 16.16,44.98 16.02,44.83 15.98,44.8 15.94,44.79 15.9,44.78 15.85,44.78 15.81,44.79 15.77,44.8 15.74,44.83 15.44,45.13 15.4,45.16 15.36,45.18 15.31,45.19 15.26,45.19 15.21,45.18 15.16,45.16 15.13,45.13 15.02,45.02 14.98,44.98 14.96,44.94 14.95,44.89 14.95,44.84 14.96,44.79 14.98,44.74 15.05,44.67 15.07,44.62 15.08,44.57 15.08,44.52 15.07,44.47 15.05,44.43 15.02,44.39 13.45,42.83 13.45,40.78 13.45,40.78 13.45,33.88 14.57,32.76 14.57,32.76 15.08,32.25 16.18,32.25 16.58,32.65 v1(16.68,32.65)
  BOTTOM w0.102: 27.11,32.15 27.42,31.84 v1(28.67,31.84)
DDR3_A4: length 50.4
  TOP_GND w0.102: U16.P8 v1(22.28,31.85) ; U15.P8 v1(34.28,31.85)
  TOP_GND w0.13: U20.K6 v1(23.88,56.55)
  SIGNAL1 w0.102: v1(22.28,31.85) 22.09,31.85 21.33,32.61 21.33,33.55 19.29,35.59 19.29,38.66 20.87,40.24 22.46,40.24 22.48,40.23 23.33,40.23 23.48,40.38 23.48,42.5 23.18,42.8 22.68,42.8 22.43,43.05 22.43,43.35 22.95,43.88 22.95,46.53 22.96,46.57 22.97,46.61 22.99,46.65 23.03,46.68 23.06,46.71 23.11,46.72 23.15,46.73 23.2,46.73 23.25,46.73 23.29,46.74 23.33,46.77 23.36,46.8 23.38,46.84 23.4,46.88 23.4,46.93 23.4,46.97 23.38,47.01 23.36,47.05 23.33,47.08 23.29,47.11 23.25,47.12 23.2,47.13 22.7,47.13 22.65,47.13 22.61,47.14 22.57,47.17 22.54,47.2 22.52,47.24 22.5,47.28 22.5,47.33 22.5,47.37 22.52,47.41 22.54,47.45 22.57,47.48 22.61,47.51 22.65,47.52 22.7,47.53 23.2,47.53 23.25,47.53 23.29,47.54 23.33,47.57 23.36,47.6 23.38,47.64 23.4,47.68 23.4,47.73 23.4,47.77 23.38,47.81 23.36,47.85 23.33,47.88 23.29,47.91 23.25,47.92 23.2,47.93 22.7,47.93 22.65,47.93 22.61,47.94 22.57,47.97 22.54,48 22.52,48.04 22.5,48.08 22.5,48.13 22.5,48.17 22.52,48.21 22.54,48.25 22.57,48.28 22.61,48.31 22.65,48.32 22.7,48.33 22.75,48.33 22.79,48.33 22.84,48.34 22.87,48.37 22.91,48.4 22.93,48.44 22.94,48.48 22.95,48.53 22.95,48.6 25.08,50.73 25.08,56 24.93,56.15 24.28,56.15 v1(23.88,56.55)
  SIGNAL2 w0.102: v1(22.28,31.85) 22.68,31.45 26.03,31.45 26.07,31.44 26.11,31.43 26.15,31.41 26.18,31.37 26.21,31.34 26.22,31.29 26.23,31.25 26.23,31.18 26.23,31.13 26.24,31.09 26.27,31.05 26.3,31.02 26.34,31 26.38,30.98 26.43,30.98 26.47,30.98 26.51,31 26.55,31.02 26.58,31.05 26.61,31.09 26.62,31.13 26.62,31.18 26.62,31.25 26.63,31.29 26.64,31.34 26.67,31.37 26.7,31.41 26.74,31.43 26.78,31.44 26.83,31.45 U15.P8 v1(34.28,31.85)
  BOTTOM w0.102: v1(34.28,31.85) 34.28,31.89 R55.1
DDR3_A5: length 52.5
  TOP_GND w0.102: 29.08,31.45 v1(28.68,31.05) ; U16.P2 v1(16.68,31.85)
  TOP_GND w0.13: U20.K5 v1(23.88,55.75)
  SIGNAL1 w0.102: v1(28.68,31.05) 28.49,31.05 28.09,30.66 24.68,30.66 23.88,29.86 20.25,29.86 18.67,31.44 17.08,31.44 v1(16.68,31.85)
  SIGNAL2 w0.102: v1(23.88,55.75) 23.48,55.35 23.48,54.77 23.26,54.56 23.06,54.56 23.05,54.55 22.78,54.55 22.68,54.45 22.68,53.1 21.18,51.6 20.33,51.6 17.45,48.73 17.41,48.7 17.37,48.68 17.33,48.67 17.29,48.67 17.24,48.68 17.2,48.7 17.17,48.73 17.14,48.76 17.1,48.78 17.06,48.8 17.02,48.81 16.97,48.81 16.93,48.8 16.89,48.78 16.85,48.76 16.83,48.72 16.81,48.68 16.8,48.64 16.8,48.59 16.81,48.55 16.83,48.51 16.85,48.47 17.17,48.16 17.19,48.13 17.21,48.09 17.22,48.04 17.22,48 17.21,47.96 17.19,47.92 17.17,47.88 17.16,47.88 17.13,47.85 17.09,47.83 17.04,47.82 17,47.82 16.96,47.83 16.92,47.85 16.88,47.88 16.57,48.19 16.54,48.22 16.49,48.24 16.45,48.25 16.41,48.25 16.36,48.24 16.32,48.22 16.29,48.19 16.26,48.16 16.24,48.12 16.23,48.07 16.23,48.03 16.24,47.98 16.26,47.94 16.29,47.91 16.6,47.6 16.63,47.56 16.65,47.52 16.66,47.48 16.66,47.43 16.65,47.39 16.63,47.35 16.6,47.32 16.6,47.31 16.56,47.29 16.52,47.27 16.48,47.26 16.43,47.26 16.39,47.27 16.35,47.29 16.28,47.34 16.24,47.36 16.2,47.37 16.16,47.37 16.11,47.36 16.07,47.34 16.04,47.31 12.48,43.75 12.48,33.7 14.97,31.2 14.97,31.2 16.16,31.2 16.68,31.71 v1(16.68,31.85)
  BOTTOM w0.102: R56.1 27.38,31.2 27.62,31.44 28.28,31.44 v1(28.68,31.05)
